# Allegro board parallella_layout.brd (continued)
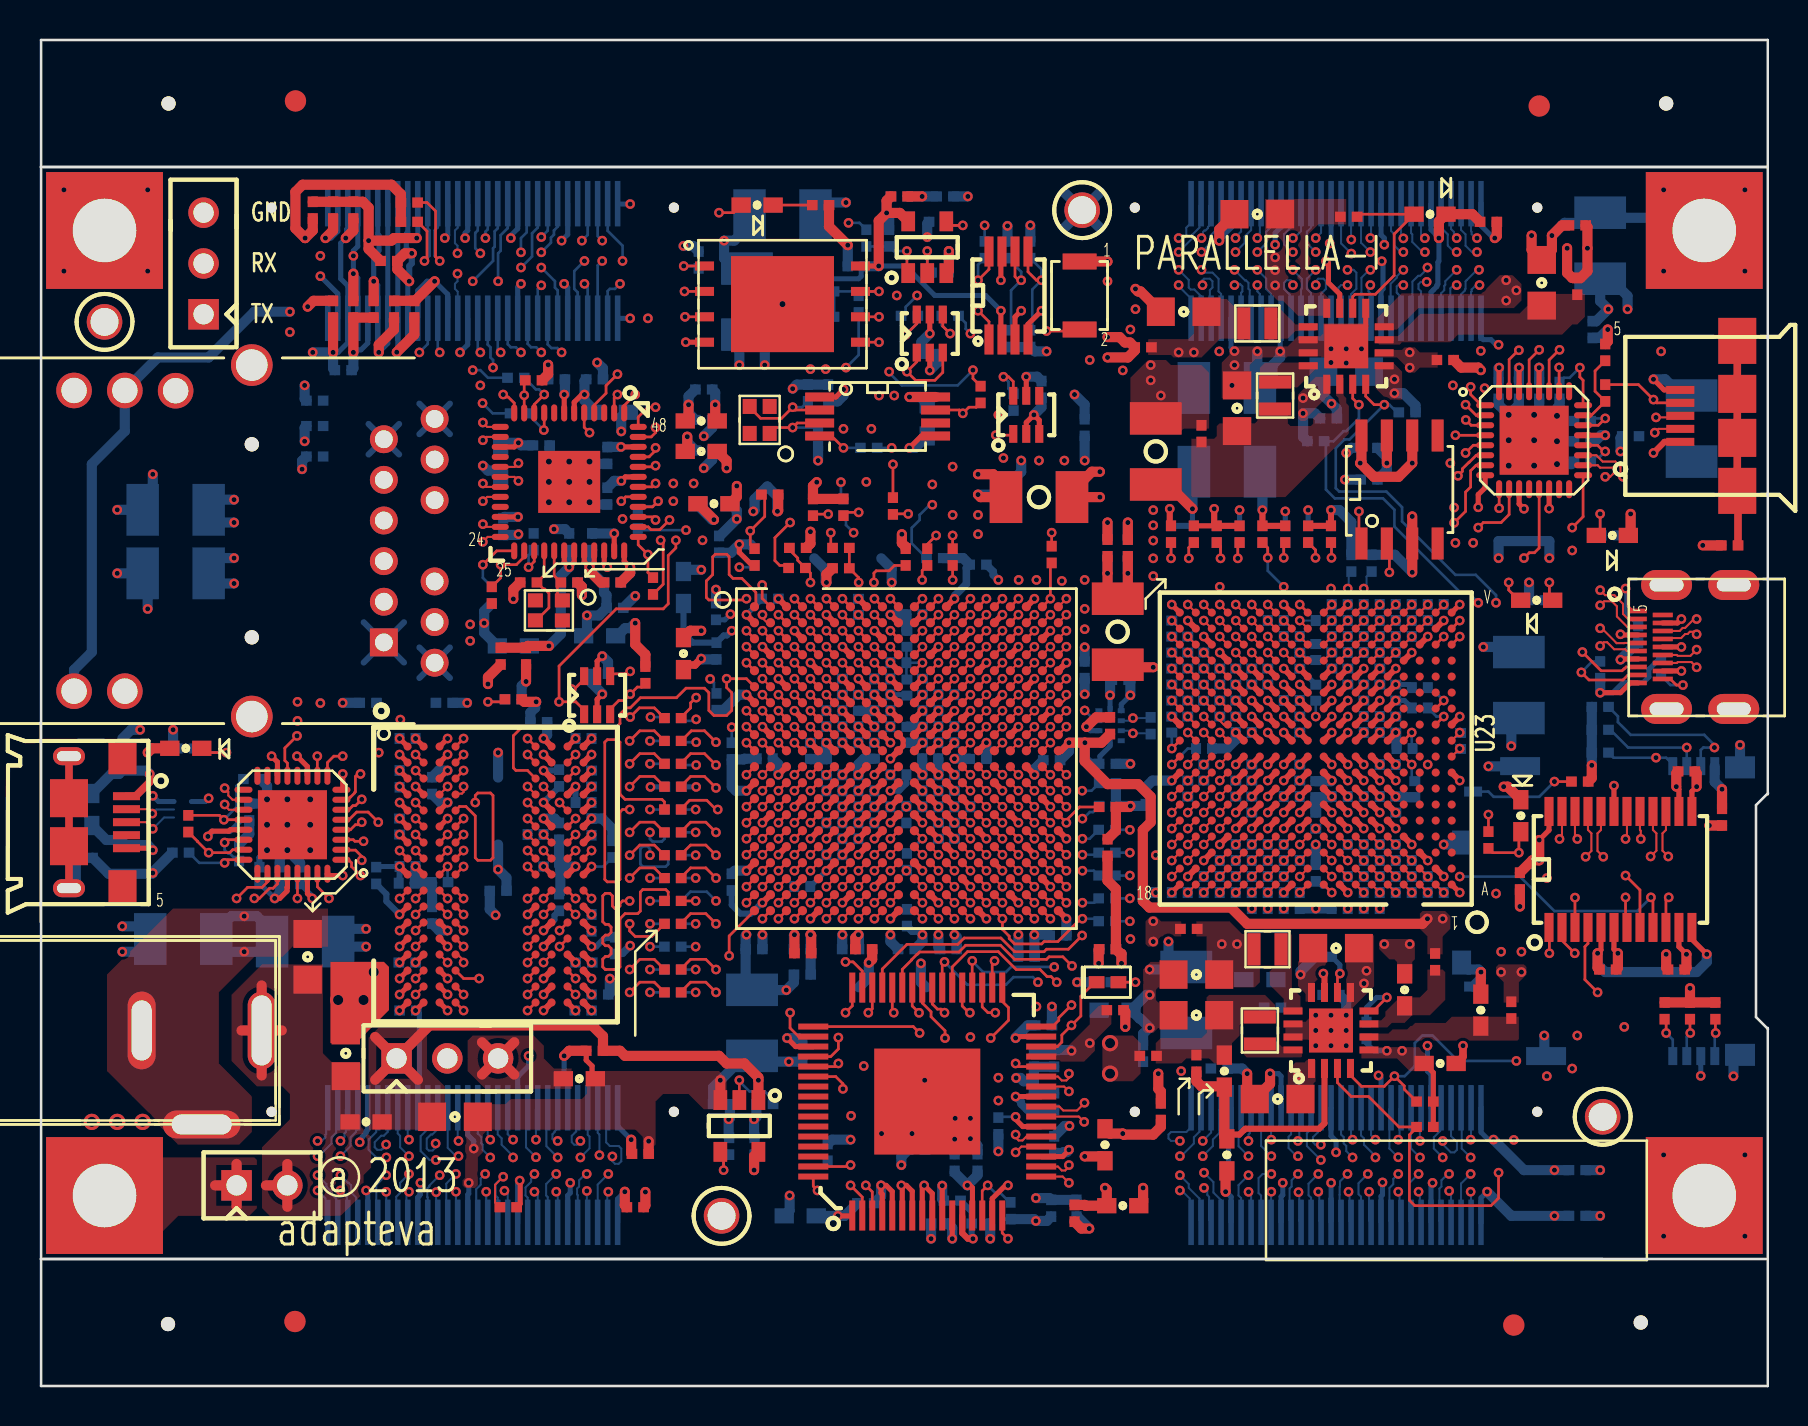
[diagram p0: board, top side]
## Routing (per net, layer and track width the routed paths; a pad name or vN(x,y) marks a point on that pad's centre or on a via; arc(x,y) is an arc through that point) (continued)
GPIO16_N: length 37.2
  TOP w0.102: v1(41.73,24.17) U2.W9
  L3_SIG w0.095: v1(41.73,24.17) 42.12,23.78 42.12,22.37 42.27,22.23 42.27,21.89 41.94,21.56 41.94,20.95 40.71,19.72 40.71,18.17 40.44,17.91 40.44,17.37 40.06,16.99 30.66,16.99 28.25,14.58 25.25,14.58 24.56,13.89 21.26,13.89 20.88,13.51 19.61,13.51 19.03,12.93 19.03,11.43 18.67,11.07 18.37,11.07 18.05,10.75 18.05,10.12 v1(18.46,9.72)
  BOTTOM w0.102: v1(18.46,9.72) 18.33,9.59 18.33,8.25 J11.43
GPIO16_P: length 37.2
  TOP w0.102: U2.W10 v1(42.53,24.17)
  L3_SIG w0.095: v1(18.46,10.6) 18.63,10.6 19.33,11.3 19.33,12.8 19.74,13.21 21.01,13.21 21.39,13.59 24.69,13.59 25.38,14.27 28.37,14.27 30.79,16.69 40.18,16.69 40.74,17.25 40.74,17.78 41.01,18.05 41.01,19.6 42.24,20.83 42.24,21.44 42.57,21.77 42.57,22 42.92,22.35 42.92,23.78 v1(42.53,24.17)
  BOTTOM w0.102: v1(18.46,10.6) 18.01,10.16 18.01,9.66 17.82,9.46 17.82,8.26 J11.45
GPIO17_N: length 37.2
  TOP w0.102: U2.U8 v1(40.93,25.77)
  L5_SIG w0.095: v1(40.93,25.77) 40.69,25.77 40.57,25.89 40.57,26.06 40.69,26.18 41.2,26.18 41.34,26.04 41.34,24.01 41.57,23.78 41.88,23.78 42.12,23.53 42.12,21.98 41.91,21.77 41.91,20.88 40.68,19.64 40.68,18.45 40.44,18.21 39.55,18.21 38.28,16.94 37.01,16.94 36.43,16.36 30.6,16.36 29.53,15.29 24.95,15.29 24.31,14.66 22.53,14.66 21.77,13.89 20.25,13.89 19.01,12.66 19.01,12.58 18.76,12.32 v1(18.46,12.32)
  BOTTOM w0.102: v1(18.46,12.32) 18.39,12.38 J11.44
GPIO17_P: length 37.6
  TOP w0.102: U2.U9 v1(41.73,25.77)
  L5_SIG w0.095: v1(41.73,25.77) 41.73,25.57 42.12,25.17 42.12,24.02 42.38,23.77 42.39,23.76 42.7,23.76 42.92,23.53 42.92,22.35 42.22,21.64 42.22,20.75 40.98,19.52 40.98,18.32 40.57,17.91 39.68,17.91 38.41,16.64 37.14,16.64 36.55,16.05 30.72,16.05 29.66,14.99 25.07,14.99 24.44,14.35 22.66,14.35 21.9,13.59 20.37,13.59 19.32,12.53 19.32,12.45 18.69,11.82 18.69,11.72 18.46,11.49 v1(18.46,11.49)
  BOTTOM w0.102: J11.46 17.89,12.63 18.01,12.51 18.01,11.94 v1(18.46,11.49)
GPIO18_N: length 37.2
  TOP w0.102: U2.W8 v1(40.93,24.17)
  L5_SIG w0.095: v1(17.32,9.71) 17.63,9.4 17.83,9.4 17.92,9.48 17.92,9.71 17.79,9.84 17.79,10.59 18.06,10.86 18.06,12.45 17.76,12.75 17.76,12.95 17.85,13.05 18.69,13.05 19.99,14.35 21.64,14.35 22.41,15.11 24.06,15.11 24.69,15.75 28.89,15.75 30.22,17.07 36.17,17.07 37.01,17.91 38.15,17.91 38.63,18.38 38.63,18.95 38.92,19.24 39.5,19.24 41.01,20.75 41.01,21.96 41.32,22.27 41.32,23.6 40.93,23.99 v1(40.93,24.17)
  BOTTOM w0.102: J11.47 17.32,8.26 v1(17.32,9.71)
GPIO18_P: length 37.1
  TOP w0.102: U2.V8 v1(40.93,24.97)
  L5_SIG w0.095: v1(17.31,10.54) 17.76,10.99 17.76,12.32 17.45,12.62 17.45,13.08 17.73,13.35 18.56,13.35 19.87,14.66 21.52,14.66 22.28,15.42 23.93,15.42 24.56,16.05 28.77,16.05 30.09,17.37 36.05,17.37 36.88,18.21 38.03,18.21 38.32,18.51 38.32,19.08 38.79,19.55 39.37,19.55 40.71,20.88 40.71,21.91 40.54,22.07 40.54,24.58 40.93,24.97 v1(40.93,24.97)
  BOTTOM w0.102: v1(17.31,10.54) 16.82,10.05 16.82,8.26 J11.49
GPIO19_N: length 37.9
  TOP w0.102: U2.Y8 v1(40.93,23.37)
  L3_SIG w0.095: v1(17.31,12.08) 17.31,12.07 17.44,11.94 17.63,11.94 17.76,12.07 17.76,12.89 19.15,14.27 20.37,14.27 20.75,14.66 24.31,14.66 25,15.34 27.87,15.34 30.28,17.75 36.44,17.75 36.82,18.14 39.22,18.14 39.56,18.48 39.56,18.91 39.3,19.18 39.04,19.18 38.79,19.43 38.79,20.95 39.04,21.21 39.55,21.21 39.93,20.83 39.93,20.7 40.06,20.57 40.45,20.57 40.71,20.83 40.71,21.64 41.32,22.26 41.32,23.37 41.2,23.5 41.06,23.5 v1(40.93,23.37)
  BOTTOM w0.102: v1(17.31,12.08) 17.31,12 17.19,11.87 17.13,11.87 17.07,11.81 16.87,11.81 16.74,11.94 16.74,12.19 17.06,12.52 17.2,12.52 17.39,12.71 J11.48
GPIO19_P: length 38.2
  TOP w0.102: v1(41.73,23.37) U2.Y9
  L3_SIG w0.095: v1(17.33,11.43) 17.53,11.63 17.76,11.63 18.06,11.94 18.06,12.76 19.28,13.97 20.5,13.97 20.88,14.35 24.44,14.35 25.12,15.04 27.99,15.04 30.41,17.45 36.57,17.45 36.95,17.83 39.35,17.83 39.87,18.35 39.87,19.04 39.42,19.48 39.17,19.48 39.09,19.56 39.09,20.83 39.17,20.9 39.42,20.9 39.63,20.7 39.63,20.57 39.93,20.27 40.58,20.27 41.01,20.7 41.01,21.51 41.63,22.13 41.63,23.26 v1(41.73,23.37)
  BOTTOM w0.102: J11.50 16.82,13.84 16.82,12.7 16.44,12.32 16.44,11.81 16.82,11.43 v1(17.33,11.43)
GPIO20_N: length 37.4
  TOP w0.102: U2.Y6 v1(39.33,23.37)
  L5_SIG w0.095: v1(39.33,23.37) 39.58,23.12 39.58,23 39.44,22.86 39.44,22.78 39.44,22.78 39.44,21.32 37.52,19.41 36.81,19.41 35.6,18.2 29.45,18.2 28.77,17.51 23.82,17.51 23.62,17.7 22.15,17.7 21.47,17.02 21.47,16 20.88,15.42 19.58,15.42 18.31,14.15 17.33,14.15 16.4,13.23 16.4,12.59 16.55,12.45 16.55,12.01 16.22,11.68 16.22,11.14 16.51,10.85 16.51,10.67 16.44,10.59 15.93,10.59 15.52,10.19 15.27,10.19 15.17,10.29 15.17,10.4 v1(15.03,10.54)
  BOTTOM w0.102: v1(15.03,10.54) 15.41,10.16 15.43,10.16 15.56,10.03 15.56,9.68 15.82,9.42 15.82,8.26 J11.53
GPIO20_P: length 37.5
  TOP w0.102: U2.Y7 v1(40.13,23.37)
  L5_SIG w0.095: v1(15.03,9.78) 15.03,9.53 15.15,9.4 15.45,9.4 15.67,9.62 15.67,9.91 16.06,10.29 16.56,10.29 16.82,10.54 16.82,10.97 16.52,11.26 16.52,11.56 16.86,11.89 16.86,12.57 16.71,12.72 16.71,13.1 17.45,13.84 18.44,13.84 19.71,15.11 21.01,15.11 21.77,15.88 21.77,16.89 22.28,17.4 23.5,17.4 23.69,17.21 28.89,17.21 29.58,17.89 35.73,17.89 36.94,19.1 37.65,19.1 39.74,21.2 39.74,22.65 39.74,22.65 39.74,22.73 39.89,22.87 39.89,23.24 40.01,23.37 v1(40.13,23.37)
  BOTTOM w0.102: J11.55 15.34,8.23 15.34,9.46 v1(15.03,9.78)
GPIO21_N: length 37.7
  TOP w0.102: U2.V7 v1(40.13,24.97)
  L3_SIG w0.095: v1(15.03,11.49) 15.59,12.05 15.59,12.81 15.72,12.95 16.82,12.95 17.25,13.39 17.25,13.84 17.35,13.94 18.32,13.94 19.1,14.73 19.99,14.73 20.37,15.11 24.06,15.11 24.73,15.79 25,15.79 25.5,16.29 25.5,17.15 25.63,17.27 27.87,17.27 28.25,16.89 28.7,16.89 30.03,18.21 35.99,18.21 36.88,19.1 37.82,19.1 38.24,19.52 38.24,21.13 39.46,22.35 39.46,22.86 39.74,23.14 39.74,24.39 40.03,24.68 40.03,24.91 40.09,24.97 v1(40.13,24.97)
  BOTTOM w0.102: v1(15.03,11.49) 15.53,12 15.53,12.43 15.8,12.7 15.8,12.76 15.89,12.86 J11.54
GPIO21_P: length 37.2
  TOP w0.102: U2.U7 v1(40.13,25.77)
  L3_SIG w0.095: v1(15.03,12.26) 15.15,12.26 15.28,12.38 15.28,12.94 15.6,13.26 16.69,13.26 16.94,13.51 16.94,13.97 17.22,14.25 18.19,14.25 18.98,15.04 19.87,15.04 20.25,15.42 23.93,15.42 24.6,16.09 24.87,16.09 25.2,16.42 25.2,17.27 25.5,17.58 27.99,17.58 28.37,17.2 28.58,17.2 29.9,18.52 35.87,18.52 36.76,19.41 37.7,19.41 37.94,19.65 37.94,21.26 39.16,22.48 39.16,22.86 38.94,23.07 38.94,24.33 39.17,24.56 39.48,24.56 39.72,24.81 39.72,25.41 40.08,25.77 v1(40.13,25.77)
  BOTTOM w0.102: J11.56 15.29,13.81 15.29,12.69 15.23,12.63 15.23,12.46 v1(15.03,12.26)
GPIO22_N: length 38.4
  TOP w0.102: U2.W6 v1(39.33,24.17)
  L5_SIG w0.095: v1(13.88,10.54) 13.88,10.29 14.01,10.16 14.15,10.16 14.28,10.03 14.4,10.03 14.61,10.24 14.61,10.41 14.43,10.59 14.43,11.02 14.61,11.2 14.61,12.57 14.99,12.95 15.55,12.95 17.33,14.73 18.21,14.73 19.23,15.75 19.23,17.45 19.81,18.03 21.77,18.03 21.9,18.16 23.75,18.16 23.88,18.03 28.32,18.03 29.14,18.85 35.1,18.85 38.32,22.06 38.58,22.06 38.94,22.43 38.94,23.78 v1(39.33,24.17)
  BOTTOM w0.102: v1(13.88,10.54) 14.33,10.1 14.33,9.96 14.58,9.7 14.58,9.59 14.82,9.36 14.82,8.26 J11.57
GPIO22_P: length 38.4
  TOP w0.102: U2.V6 v1(39.33,24.97)
  L5_SIG w0.095: v1(39.33,24.97) 38.94,24.58 38.39,24.58 38.14,24.33 38.14,22.31 34.98,19.15 29.01,19.15 28.2,18.34 24.01,18.34 23.88,18.47 21.77,18.47 21.64,18.34 19.69,18.34 18.93,17.58 18.93,15.87 18.09,15.04 17.2,15.04 15.42,13.26 14.86,13.26 14.3,12.7 14.3,11.33 13.92,10.95 13.69,10.95 13.41,10.67 13.41,10.25 v1(13.88,9.78)
  BOTTOM w0.102: v1(13.88,9.78) 14.28,9.39 14.28,8.3 J11.59
GPIO23_N: length 37.4
  TOP w0.102: U2.U5 v1(38.53,25.77)
  L3_SIG w0.095: v1(13.88,11.49) 14.11,11.49 14.64,12.02 14.64,13.05 16.45,14.86 18.09,14.86 19.1,15.88 19.1,16.76 20.37,18.03 22.07,18.03 22.15,18.11 23.55,18.11 23.63,18.03 28.58,18.03 29.53,18.99 35.31,18.99 35.56,18.99 36.92,20.34 36.92,20.81 37.82,21.72 37.82,21.95 38.14,22.27 38.14,25.19 38.43,25.48 38.43,25.66 v1(38.53,25.77)
  BOTTOM w0.102: v1(13.88,11.49) 13.95,11.49 14.58,12.13 14.58,12.44 14.82,12.68 14.82,13.84 J11.58
GPIO23_P: length 37.3
  TOP w0.102: U2.T5 v1(38.53,26.57)
  L3_SIG w0.095: v1(38.53,26.57) 38.33,26.37 38.33,26.32 38.12,26.11 38.12,25.61 37.9,25.38 37.57,25.38 37.34,25.15 37.34,22.15 37.52,21.97 37.52,21.84 36.61,20.94 36.61,20.47 35.44,19.29 29.4,19.29 28.45,18.34 23.75,18.34 23.68,18.41 22.02,18.41 21.94,18.33 20.24,18.33 18.8,16.89 18.8,16 17.96,15.16 16.32,15.16 14.33,13.17 14.33,12.14 14.26,12.07 14.01,12.07 13.88,12.2 v1(13.88,12.26)
  BOTTOM w0.102: v1(13.88,12.26) 14.09,12.26 14.28,12.44 14.28,12.57 14.32,12.61 14.32,13.84 J11.60
HDMI_5V: length 16.6
  TOP w0.254: J10.19 79.53,35.16 79.05,34.67 v1(78.03,34.67) ; v1(82.86,29.97) 82.62,29.74 U37.13
  TOP w0.508: C289.1 82.86,30.65 v1(82.86,29.97)
  L5_SIG w0.508: v1(82.86,29.97) 82.1,30.73 80.44,30.73 78.03,33.15 v1(78.03,34.67)
  BOTTOM w0.254: v1(78.03,34.67) 78.67,34.67 79.17,35.18 80.19,35.18 80.47,35.46 80.47,35.84 80.99,36.36 R21.2
  BOTTOM w0.508: R19.2 v1(78.03,34.67)
HDMI_24M_CES_CLK: length 41
  TOP w0.133: v1(51.59,19.05) 50.95,18.41 50.95,18.29 50.64,17.97 U26.32
  L8_SIG w0.108: v1(47.93,48.56) 48.31,48.18 48.31,47.31 47.68,46.68 47.68,46.23 47.93,45.97 47.93,42.16 47.42,41.66 47.42,40.04 47.74,39.73 47.74,35.21 47.5,34.97 46.38,34.97 46.37,34.98 46.13,34.73 46.13,34.41 45.9,34.17 45.57,34.17 45.33,33.93 45.33,33.61 45.1,33.37 44.77,33.37 44.53,33.13 44.53,30.37 44.74,30.17 45.1,30.17 45.33,29.93 45.33,29.57 45.54,29.37 45.9,29.37 46.13,29.13 46.13,28.77 46.34,28.57 49.09,28.57 49.33,28.33 49.33,28.01 49.57,27.77 49.89,27.77 50.13,27.53 50.13,27.21 50.37,26.97 50.69,26.97 50.93,26.73 50.93,22.86 51.22,22.57 51.22,20.59 51.36,20.45 51.36,19.28 v1(51.59,19.05)
  BOTTOM w0.133: v1(47.93,48.56) 48.48,48.56 R114.2
HDMI_AVDD: length 11
  TOP w0.254: U26.25 v1(48.8,14.47) ; v1(51.46,11.81) 51.46,11.79 51.15,11.47 U26.19 ; v1(48.41,10.03) 48.29,10.03 47.63,9.37 U26.15
  TOP w0.508: v1(52.25,11.48) 53.05,11.48 C235.1
  BOTTOM w0.381: 49.58,13.8 49.37,13.8 49.08,14.1 49.08,14.19 v1(48.8,14.47)
  BOTTOM w0.508: C145.1 51.14,11.65 51.19,11.7 51.35,11.7 v1(51.46,11.81) ; 49.58,13.8 C234.1 C144.1 ; FB15.2 C233.1 50.48,9.4 v1(49.81,9.4)
HDMI_BGVDD: length 3.6
  TOP w0.254: U26.13 46.64,8.51 46.64,9.91 46.51,10.03 v1(46.38,10.03)
  BOTTOM w0.508: C266.1 46.89,10.54 v1(46.38,10.03) 45.75,10.67 C263.1
HDMI_CEC: length 60
  TOP w0.133: D1.1 52.76,20.19 52.06,19.49 52.06,18.5 v1(51.59,18.03) 51.11,17.55 51.11,17.2 50.89,16.97 U26.30 ; v1(75.49,21.64) 75.49,22.91 U37.1
  L5_SIG w0.108: v1(51.59,18.03) 51.06,18.03 50.6,17.58 50.6,14.22 49.9,13.53 49.9,10.53 51.28,9.14 52.12,9.14 53.52,7.75 76.76,7.75 77.52,8.51 77.52,9.65 78.64,10.77 78.64,12.22 79.24,12.81 v1(79.24,17.96)
  L8_SIG w0.108: v1(79.24,17.96) 77.78,17.96 75.49,20.24 v1(75.49,21.64)
HDMI_CEC_B: length 19.3
  TOP w0.133: U37.7 79.3,23 v1(79.3,24.43) ; v1(77.14,36.7) 78.08,35.77 79.13,35.77 79.22,35.86 79.24,35.86 79.33,35.96 J10.15
  L5_SIG w0.108: v1(79.3,24.43) 79.94,25.07 79.94,26.54 80.57,27.18 80.57,27.69 79.81,28.45 79.81,29.84 77.14,32.51 77.14,35.05 77.52,35.43 77.52,36.32 v1(77.14,36.7)
HDMI_CLK: length 29.3
  TOP w0.133: v1(39.93,16.13) 39.78,15.97 U26.53
  L8_SIG w0.108: v1(40.57,13.51) 44,13.51 47.17,16.69 49.2,16.69 51.11,18.59 51.81,18.59 52.06,18.85 52.06,19.45 52.38,19.77 52.38,20.45 52.11,20.71 52.11,21.66 52.73,22.28 52.73,26.04 v1(54.51,27.81)
  L10_SIG w0.108: v1(39.93,16.13) 39.68,15.88 39.68,14.02 40.19,13.51 v1(40.57,13.51)
  BOTTOM w0.133: R41.2 v1(54.51,27.81)
HDMI_CLK_25065215: length 18.5
  TOP w0.133: U11.3 45.15,50.69 44.76,50.29 43.79,50.29 v1(43.36,50.72) 43.85,51.22 U11.1 ; U14.1 48.62,47.55 v1(47.81,47.55)
  L5_SIG w0.108: v1(47.81,47.55) 46.99,46.74 44.88,46.74 44.5,46.35 43.23,46.35 42.67,46.91 v1(42.6,46.91)
  L8_SIG w0.108: v1(42.6,46.91) 42.6,47.62 41.46,48.77 41.46,49.8 41.84,50.18 41.84,51.05 42.09,51.31 42.78,51.31 v1(43.36,50.72)
  BOTTOM w0.133: R56.2 v1(42.6,46.91)
HDMI_D8: length 21.2
  TOP w0.133: U2.Y18 v1(49.74,23.37) ; v1(40.16,14.86) 40.16,15.11 39.8,15.47 U26.54
  L5_SIG w0.108: v1(47.93,14.27) 48.64,14.99 48.95,14.99 48.97,15.01 48.99,15.01 49.22,15.24 49.22,19.07 49.58,19.43 49.96,19.43 50.35,19.81 50.35,20.45 50.13,20.66 50.13,22.97 v1(49.74,23.37)
  L10_SIG w0.108: v1(40.16,14.86) 47.35,14.86 v1(47.93,14.27)
HDMI_D9: length 21
  TOP w0.133: v1(39.93,17.42) 39.93,16.85 39.55,16.47 U26.52 ; U2.W18 v1(49.74,24.17)
  L5_SIG w0.108: v1(47.93,15.42) 48.31,15.8 48.31,17.78 48.82,18.29 48.82,19.05 49.46,19.69 49.46,20.32 49.33,20.44 49.33,23.55 49.74,23.95 v1(49.74,24.17)
  L10_SIG w0.108: v1(47.93,15.42) 47.42,15.93 42.57,15.93 41.59,16.9 40.45,16.9 v1(39.93,17.42)
HDMI_D10: length 18.1
  TOP w0.133: U2.V18 v1(49.74,24.97) ; U26.50 37.94,17.47 37.51,17.9 37.51,18.66 v1(37.52,18.67)
  L10_SIG w0.108: v1(37.52,18.67) 38.03,18.67 39.33,19.97 42.69,19.97 43.42,20.7 45.39,20.7 45.77,21.08 45.77,21.46 47.04,22.73 47.3,22.73 47.74,23.17 47.74,23.53 47.97,23.77 48.33,23.77 48.54,23.97 48.54,24.33 48.77,24.57 49.13,24.57 49.33,24.77 49.53,24.77 v1(49.74,24.97)
HDMI_D11: length 14.7
  TOP w0.133: U26.49 43.67,17.97 v1(44,17.65) ; U2.V15 v1(47.34,24.97)
  L3_SIG w0.108: v1(47.34,24.97) 46.93,24.57 46.93,22.37 45.77,21.21 45.77,20.57 44.5,19.3 44.5,18.16 v1(44,17.65)
HDMI_D12: length 27
  TOP w0.133: v1(40.29,18.67) 40.63,19.01 U26.48 ; U2.R18 v1(49.74,27.37)
  L10_SIG w0.108: v1(40.29,18.67) 41.18,17.78 42.98,17.78 43.36,18.16 44.5,18.16 44.76,17.91 48.19,17.91 49.73,19.45 52.27,19.45 53.39,20.57 53.39,26.04 52.46,26.97 51.98,26.97 51.74,27.2 51.74,27.56 51.54,27.77 50.37,27.77 49.97,27.37 v1(49.74,27.37)
HDMI_D13: length 16.8
  TOP w0.133: U2.P18 v1(49.74,28.17) ; v1(40.29,21.21) 40.67,21.21 41.13,20.75 U26.47
  L3_SIG w0.108: v1(49.74,28.17) 49.56,27.99 49.32,27.99 49.1,27.77 48.69,27.77 48.53,27.61 48.53,27.2 48.3,26.97 43.86,26.97 42.93,26.04 42.93,25.6 42.7,25.37 42.37,25.37 42.13,25.13 42.13,24.8 41.9,24.57 41.57,24.57 41.33,24.33 41.33,24 41.1,23.77 40.78,23.77 40.54,23.53 40.54,22.25 40.29,22 v1(40.29,21.21)
HDMI_D14: length 14
  TOP w0.133: U2.Y19 v1(50.54,23.37) ; v1(41.43,18.67) 41.63,18.87 U26.46
  L10_SIG w0.108: v1(41.43,18.67) 41.81,18.29 41.84,18.29 41.96,18.16 42.85,18.16 43.23,18.54 43.23,18.61 43.8,19.18 45.71,19.18 46.15,19.63 47.75,19.63 50.54,22.42 v1(50.54,23.37)
HDMI_D15: length 15.5
  TOP w0.133: U26.45 42.13,20.85 43.36,22.09 45.9,22.09 46.22,22.4 48.06,22.4 48.74,21.72 50.22,21.72 50.35,21.84 51.44,21.84 v1(52.12,22.53) ; U2.W19 v1(50.54,24.17)
  L5_SIG w0.108: v1(50.54,24.17) 50.93,23.77 50.93,23.03 51.44,22.53 v1(52.12,22.53)
HDMI_D16: length 10
  TOP w0.133: v1(42.7,18.67) 42.63,18.74 U26.44 ; U2.W15 v1(47.34,24.17)
  L8_SIG w0.108: v1(47.34,24.17) 47.34,23.93 46.94,23.53 46.94,22.37 45.77,21.21 45.77,20.83 45.01,20.07 43.74,20.07 42.73,19.05 42.73,18.69 v1(42.7,18.67)
HDMI_D17: length 18.5
  TOP w0.133: U26.43 43.13,20.84 43.6,21.31 43.6,21.32 43.87,21.59 43.88,21.59 44,21.7 45.96,21.7 46.3,22.04 48.04,22.04 48.74,21.34 50.35,21.34 50.47,21.46 51.16,21.46 v1(51.62,21.01) ; U2.T19 v1(50.54,26.57)
  L10_SIG w0.108: v1(50.54,26.57) 50.94,26.17 51.5,26.17 51.74,25.93 51.74,25.53 52,25.27 52.17,25.27 52.81,24.64 52.81,22.15 52,21.34 51.95,21.34 v1(51.62,21.01)
HDMI_D18: length 20.7
  TOP w0.133: v1(43.96,18.66) 43.63,19 U26.42 ; U2.R19 v1(50.54,27.37)
  L10_SIG w0.108: v1(50.54,27.37) 50.94,26.97 51.57,26.97 51.74,26.8 51.74,26.4 51.97,26.17 52.45,26.17 53.09,25.53 53.09,22.05 52.38,21.34 52.38,19.98 52.14,19.74 49.46,19.74 47.99,18.27 45.76,18.27 45.65,18.16 45.01,18.16 44.51,18.66 v1(43.96,18.66)
HDMI_D19: length 24.7
  TOP w0.133: U2.P19 v1(50.54,28.17) ; v1(45.27,17.4) 45.27,17.77 44.57,18.47 44.57,18.71 44.13,19.15 U26.41
  L10_SIG w0.108: v1(50.54,28.17) 50.77,28.17 51.17,28.57 51.5,28.57 51.73,28.33 51.73,28.33 51.74,28.32 51.74,28.07 52,27.81 52.63,27.81 53.72,26.72 53.72,21.54 53.65,21.46 53.65,20.32 51.87,18.54 50.27,18.54 v1(49.84,18.97) 49.15,18.29 48.95,18.29 48.19,17.53 48.19,17.4 47.68,16.89 45.77,16.89 v1(45.27,17.4)
HDMI_D20: length 11.4
  TOP w0.133: U26.40 44.63,19.1 44.88,18.85 45.06,18.85 v1(45.24,18.67) ; U2.W20 v1(51.34,24.17)
  L10_SIG w0.108: v1(51.34,24.17) 50.93,23.77 50.93,22.3 47.81,19.18 46.28,19.18 45.77,18.67 v1(45.24,18.67)
HDMI_D21: length 13
  TOP w0.133: U26.39 45.13,21.1 v1(45.24,21.21) ; U2.V20 v1(51.34,24.97)
  L10_SIG w0.108: v1(49.91,20.19) 50.26,20.54 50.26,21.08 51.62,22.44 51.62,22.99 51.74,23.11 51.74,24.57 v1(51.34,24.97)
  BOTTOM w0.133: v1(49.91,20.19) 49.66,20.45 48.69,20.45 48.31,20.07 46.38,20.07 v1(45.24,21.21)
HDMI_D22: length 15.1
  TOP w0.133: v1(50.85,20.19) 50.57,20.47 50.37,20.47 50.01,20.83 48.82,20.83 47.93,21.72 46.39,21.72 45.63,20.96 U26.38 ; U2.U20 v1(51.34,25.77)
  L10_SIG w0.108: v1(50.85,20.19) 50.85,19.99 51.22,20.35 51.22,21.32 51.41,21.51 51.74,21.51 52.54,22.31 52.54,24.35 51.34,25.55 v1(51.34,25.77)
HDMI_D23: length 14.2
  TOP w0.133: U2.T20 v1(51.34,26.57) ; U26.37 46.13,19 46.46,18.67 v1(46.51,18.67)
  L3_SIG w0.108: v1(46.51,18.67) 49.18,21.34 49.2,21.34 50.14,22.27 50.14,24.33 50.38,24.57 51.94,24.57 52.57,25.2 52.57,25.96 52.35,26.17 51.73,26.17 v1(51.34,26.57)
HDMI_DE: length 27.2
  TOP w0.133: U26.63 40.47,10.97 v1(40.54,11.05)
  L8_SIG w0.108: v1(40.54,11.05) 40.96,11.47 43.75,11.47 44.12,11.1 48.95,11.1 49.71,11.86 49.71,12.34 52.1,14.73 52.5,14.73 52.89,15.11 52.89,16.96 52.9,16.98 52.9,17.31 52.89,17.33 52.89,17.61 53.69,18.41 53.69,21.39 54,21.69 54,23.88 v1(54.51,24.38)
  BOTTOM w0.133: R94.2 v1(54.51,24.38)
HDMI_DVDD: length 16.2
  TOP w0.254: U26.31 48.87,17.47 v1(48.8,17.4) ; U26.51 37.79,16.97 v1(37.37,17.4) ; U26.1 40.61,8.51 v1(39.91,8.51) ; U26.11 v1(45.63,7.37)
  L3_SIG w0.508: v1(45.63,7.37) 44.81,8.18 40.24,8.18 v1(39.91,8.51)
  BOTTOM w0.508: v1(37.37,17.4) 37.91,17.4 C231.1 ; v1(48.8,17.4) 48.8,17.42 49.41,18.03 C230.1 ; C67.1 40.25,8.51 v1(39.91,8.51) C232.1 ; v1(45.63,7.37) 45.63,7.91 C58.1
HDMI_HPD: length 43.1
  TOP w0.133: v1(77.9,19.69) 77.27,20.32 77.27,21.97 77.42,22.12 U37.4 ; v1(48.41,7.37) 48.13,7.65 U26.16
  L3_SIG w0.108: v1(77.9,19.69) 77.4,19.18 77.4,15.56 76.35,14.51 76.35,12.67 73.84,10.16 73.84,9.91 72.62,8.69 53.52,8.69 53.14,9.07 51.87,9.07 50.17,7.37 v1(48.41,7.37)
HDMI_HPD_B: length 23.5
  TOP w0.133: v1(81.46,24.43) 81.32,24.3 U37.10 ; v1(79.3,39.88) 79.43,39.75 79.43,38.99 79.66,38.76 J10.1
  L5_SIG w0.108: v1(79.3,39.88) 78.54,39.12 78.54,35.81 77.65,34.92 77.63,34.92 77.52,34.82 77.52,32.64 80.19,29.97 80.19,28.96 81.97,27.18 81.97,24.94 v1(81.46,24.43)
  BOTTOM w0.133: R24.1 79.3,38.65 v1(79.3,39.88)
HDMI_HSYNC: length 29.5
  TOP w0.133: v1(38.89,9.78) 38.68,9.99 U26.64
  L8_SIG w0.108: v1(54.51,26.67) 53.11,25.27 53.11,22 52.44,21.32 52.44,20.88 52.7,20.62 52.7,18.48 51.74,17.53 51.11,17.53 49.68,16.1 49.68,15.16 49.43,14.91 46.01,14.91 44.12,13.02 40.58,13.02 38.89,11.33 v1(38.89,9.78)
  BOTTOM w0.133: R44.2 v1(54.51,26.67)
HDMI_INT: length 22.1
  TOP w0.133: R22.1 52,28.96 51.34,28.3 v1(51.34,28.17) U2.P20 ; U26.28 48.95,15.97 v1(48.8,16.13)
  L3_SIG w0.108: v1(48.8,16.13) 48.41,16.51 47.68,16.51 47.04,17.14 47.04,17.65 47.42,18.03 47.81,18.03 48.31,18.54 48.31,19.94 50.35,21.97 52.25,21.97 53.01,22.73 53.01,26.29 52.63,26.67 52.63,27.56 52.38,27.81 52,27.81 51.64,28.17 v1(51.34,28.17)
HDMI_PVDD: length 6.2
  TOP w0.305: U26.12 46.13,7.65 46.41,7.37 v1(46.66,7.37)
  TOP w0.508: FB18.2 52.25,9.06 52.29,9.02 C296.1 53.35,9.82 v1(53.27,9.91)
  BOTTOM w0.305: C265.1 46.6,8.71 C264.1 46.6,7.43 v1(46.66,7.37)
HDMI_TX0_N: length 59.3
  TOP w0.102: v1(48.8,11.68) 49.09,11.97 U26.20 ; J10.11 79.37,36.76 79.28,36.84 78.73,36.84 78.38,37.19 78.22,37.19 v1(78.03,37.01) ; v1(80.06,27.36) 80.06,27.77 80.02,27.81 U37.17
  L10_SIG w0.095: v1(48.8,11.68) 49.09,11.98 50.73,11.98 51.02,12.27 52.48,12.27 52.82,11.93 54.91,11.93 56.62,13.64 70.54,13.64 77.14,20.24 78.67,20.24 79.75,21.32 79.75,23.56 80.06,23.88 80.06,25.83 79.81,26.09 79.81,27.1 v1(80.06,27.36) 79.83,27.58 79.83,30.05 77.26,32.63 77.26,34.81 76.63,35.43 76.63,36.91 77.1,37.37 77.8,37.37 78.03,37.14 v1(78.03,37.01)
HDMI_TX0_P: length 59.4
  TOP w0.102: v1(48.8,12.57) 48.8,12.43 48.95,12.28 49.14,12.28 49.33,12.47 U26.21 ; v1(78.03,37.89) 78.11,37.89 78.86,37.15 79.23,37.15 79.24,37.16 J10.9 ; U37.18 79.37,27.43 v1(79.3,27.36)
  L10_SIG w0.095: v1(78.03,37.89) 77.82,37.68 76.97,37.68 76.33,37.03 76.33,35.31 76.95,34.68 76.95,32.5 79.53,29.92 79.53,27.58 v1(79.3,27.36) 79.3,27.3 79.5,27.1 79.5,25.96 79.76,25.71 79.76,24 79.44,23.69 79.44,21.45 78.54,20.55 77.02,20.55 70.41,13.94 56.49,13.94 54.78,12.23 52.95,12.23 52.61,12.57 50.89,12.57 50.6,12.28 49.09,12.28 v1(48.8,12.57)
HDMI_TX1_N: length 61
  TOP w0.102: v1(78.19,26.47) 77.9,26.76 77.9,27.63 78.07,27.81 U37.20 ; v1(82.86,37.59) 82.73,37.72 82.52,37.72 82.41,37.6 82.29,37.6 82.08,37.4 81.38,37.4 81.33,37.36 J10.8 ; U26.23 51.96,13.47 v1(52.22,13.21)
  L10_SIG w0.095: v1(82.86,37.59) 82.86,37.72 82.76,37.82 82.54,37.82 82.38,37.66 80.51,37.66 79.88,38.28 76.77,38.28 75.33,36.85 75.33,35.56 76.4,34.49 76.4,31.39 77.9,29.89 77.9,26.76 v1(78.19,26.47) 77.9,26.18 77.9,25.81 77.51,25.42 77.51,24.15 76.24,22.87 76.24,21.02 69.95,14.73 66.22,14.73 65.76,15.19 64.06,15.19 63.6,14.73 53.82,14.73 53.43,14.34 53.43,13.84 53.12,13.53 52.43,13.53 52.33,13.44 52.33,13.3 52.24,13.21 v1(52.22,13.21)
HDMI_TX1_P: length 61.2
  TOP w0.102: J10.6 82.01,37.76 82.16,37.91 82.28,37.91 82.72,38.35 v1(82.86,38.35) ; U26.24 50.98,13.97 51.18,13.78 51.87,13.78 52.24,14.15 v1(52.24,14.17) ; v1(77.3,26.47) 77.59,26.76 77.59,27.63 77.42,27.81 U37.21
  L10_SIG w0.095: v1(82.86,38.35) 82.73,38.35 82.5,38.12 82.42,38.12 82.26,37.96 80.63,37.96 80.01,38.59 79.75,38.59 76.64,38.59 75.02,36.97 75.02,35.43 76.09,34.36 76.09,31.26 77.59,29.76 77.59,26.76 v1(77.3,26.47) 77.3,26.43 77.6,26.14 77.6,25.94 77.21,25.55 77.21,24.27 75.94,23 75.94,21.14 69.83,15.04 66.35,15.04 65.89,15.49 63.93,15.49 63.48,15.04 53.7,15.04 53.13,14.47 53.13,13.97 53,13.84 52.43,13.84 52.33,13.93 52.33,14.07 v1(52.24,14.17)
HDMI_TX2_N: length 54.3
  TOP w0.102: J10.5 79.39,37.96 78.87,38.48 78.87,38.99 78.62,39.24 78.23,39.24 v1(78.03,39.04) ; U26.26 51.22,14.97 v1(51.46,14.73) ; U37.22 76.77,27.47 v1(76.89,27.36)
  L10_SIG w0.095: v1(51.46,14.73) 51.75,15.02 51.96,15.02 53.19,16.26 55.04,16.26 57.84,19.05 60,19.05 62.26,21.31 70.64,21.31 71.55,22.23 73.66,22.23 76.56,25.12 76.56,27.03 v1(76.89,27.36) 76.6,27.65 76.6,28.08 76.18,28.5 75.57,28.5 74.53,29.54 74.53,30.66 75.49,31.62 75.49,32.89 74.47,33.92 74.47,37.76 75.95,39.24 77.83,39.24 v1(78.03,39.04)
HDMI_TX2_P: length 54.5
  TOP w0.102: J10.3 79.43,38.36 79.17,38.61 79.17,39.12 78.74,39.55 78.28,39.55 v1(78.03,39.8) ; v1(76,27.36) 76.12,27.48 U37.23 ; v1(51.46,15.62) 51.46,15.41 51.34,15.28 51.11,15.28 50.91,15.47 U26.27
  L10_SIG w0.095: v1(51.46,15.62) 51.75,15.33 51.83,15.33 53.06,16.56 54.92,16.56 57.71,19.35 59.87,19.35 62.13,21.62 70.51,21.62 71.43,22.53 73.54,22.53 76.25,25.25 76.25,27.1 v1(76,27.36) 76.29,27.65 76.29,27.95 76.05,28.19 75.44,28.19 74.22,29.41 74.22,30.78 75.19,31.75 75.19,32.77 74.16,33.79 74.16,37.89 75.82,39.55 77.78,39.55 v1(78.03,39.8)
HDMI_TXC_N: length 60.8
  TOP w0.102: v1(51.46,10.16) 51.15,10.47 U26.17 ; U37.15 81.32,27.81 81.15,27.63 81.15,26.77 v1(81.44,26.48) ; v1(82.86,35.94) 82.6,36.2 81.91,36.2 81.87,36.16 J10.14
  L10_SIG w0.095: v1(82.86,35.94) 82.86,36.09 82.73,36.22 80.42,36.22 79.68,35.48 79.68,31.93 81.15,30.46 81.15,26.77 v1(81.44,26.48) 81.21,26.25 81.21,25.83 82.22,24.82 82.22,24 80.63,22.41 80.63,20.69 80.63,20.69 80.63,20.44 78.16,17.98 76.78,17.98 71.55,12.75 56.83,12.75 56.61,12.52 56.61,10.92 56.14,10.45 51.75,10.45 v1(51.46,10.16)
HDMI_TXC_P: length 60.9
  TOP w0.102: v1(82.86,36.82) 82.54,36.51 81.91,36.51 81.87,36.56 J10.12 ; U26.18 50.91,10.97 51.11,10.78 51.28,10.78 51.46,10.97 v1(51.46,11.05) ; U37.16 80.67,27.81 80.84,27.63 80.84,26.77 v1(80.56,26.48)
  L10_SIG w0.095: v1(82.86,36.82) 82.56,36.53 80.29,36.53 79.38,35.61 79.38,31.8 80.84,30.33 80.84,26.77 v1(80.56,26.48) 80.9,26.13 80.9,25.71 81.92,24.69 81.92,24.13 80.32,22.54 80.32,20.57 78.04,18.28 76.65,18.28 71.43,13.06 56.71,13.06 56.3,12.65 56.3,11.05 56.01,10.76 51.75,10.76 v1(51.46,11.05)
HDMI_VSYNC: length 29.2
  TOP w0.133: v1(40.54,10.03) 41.13,9.45 U26.2
  L8_SIG w0.108: v1(54.51,25.53) 53.49,24.51 53.49,21.73 53.35,21.58 53.35,18.75 51.87,17.27 51.36,17.27 50.35,16.26 50.35,13.51 48.96,12.13 47.31,12.13 47.04,11.86 40.59,11.86 40.03,11.3 40.03,10.54 v1(40.54,10.03)
  BOTTOM w0.133: R42.2 v1(54.51,25.53)
I2C_SCL: length 141.7
  TOP w0.133: U37.8 80.02,24.81 v1(79.3,25.53) ; v1(47.78,18.67) 47.41,18.67 47.13,18.95 U26.35 ; v1(65.97,49.07) 65.66,49.38 U30.3
  L3_SIG w0.108: v1(71.94,39.17) 71.94,38.48 76.02,34.39 76.02,32.28 74.86,31.12 74.86,29.72 75.36,29.21 76.25,29.21 78.79,26.67 78.79,26.04 v1(79.3,25.53)
  L5_SIG w0.108: v1(65.97,49.07) 65.23,49.81 64.67,49.81 62.16,52.32 57.08,52.32 55.04,54.36 50.85,54.36 50.6,54.61 48.95,54.61 48.66,54.9 44.77,54.9 44.12,55.55 35.74,55.55 35.32,55.13 29.03,55.13 v1(29.01,55.12) ; v1(79.3,25.53) 78.79,25.02 78.79,23.88 80,22.67 80,13.07 79.43,12.5 79.43,9.02 77.85,7.44 51.54,7.44 50.29,8.69 49.52,8.69 49.14,9.07 49.14,10.08 48.63,10.59 48.19,10.59 47.42,11.35 47.42,16.13 48.06,16.76 48.06,18.39 v1(47.78,18.67)